# Altium PCB Nuio_Left_Keyboard_Rev_H.PcbDoc (part 2 of 3)
Units mil, origin at the board's own origin, x right, y up, seen from the top; angles counter-clockwise.
Board outline 3504.15 x 969.68 mil, 4 copper layers (Top Layer, GND1, GND2, Bottom Layer), stack 37.04 mil thick; 164 components, 106 nets, 626 pads, 398 vias.
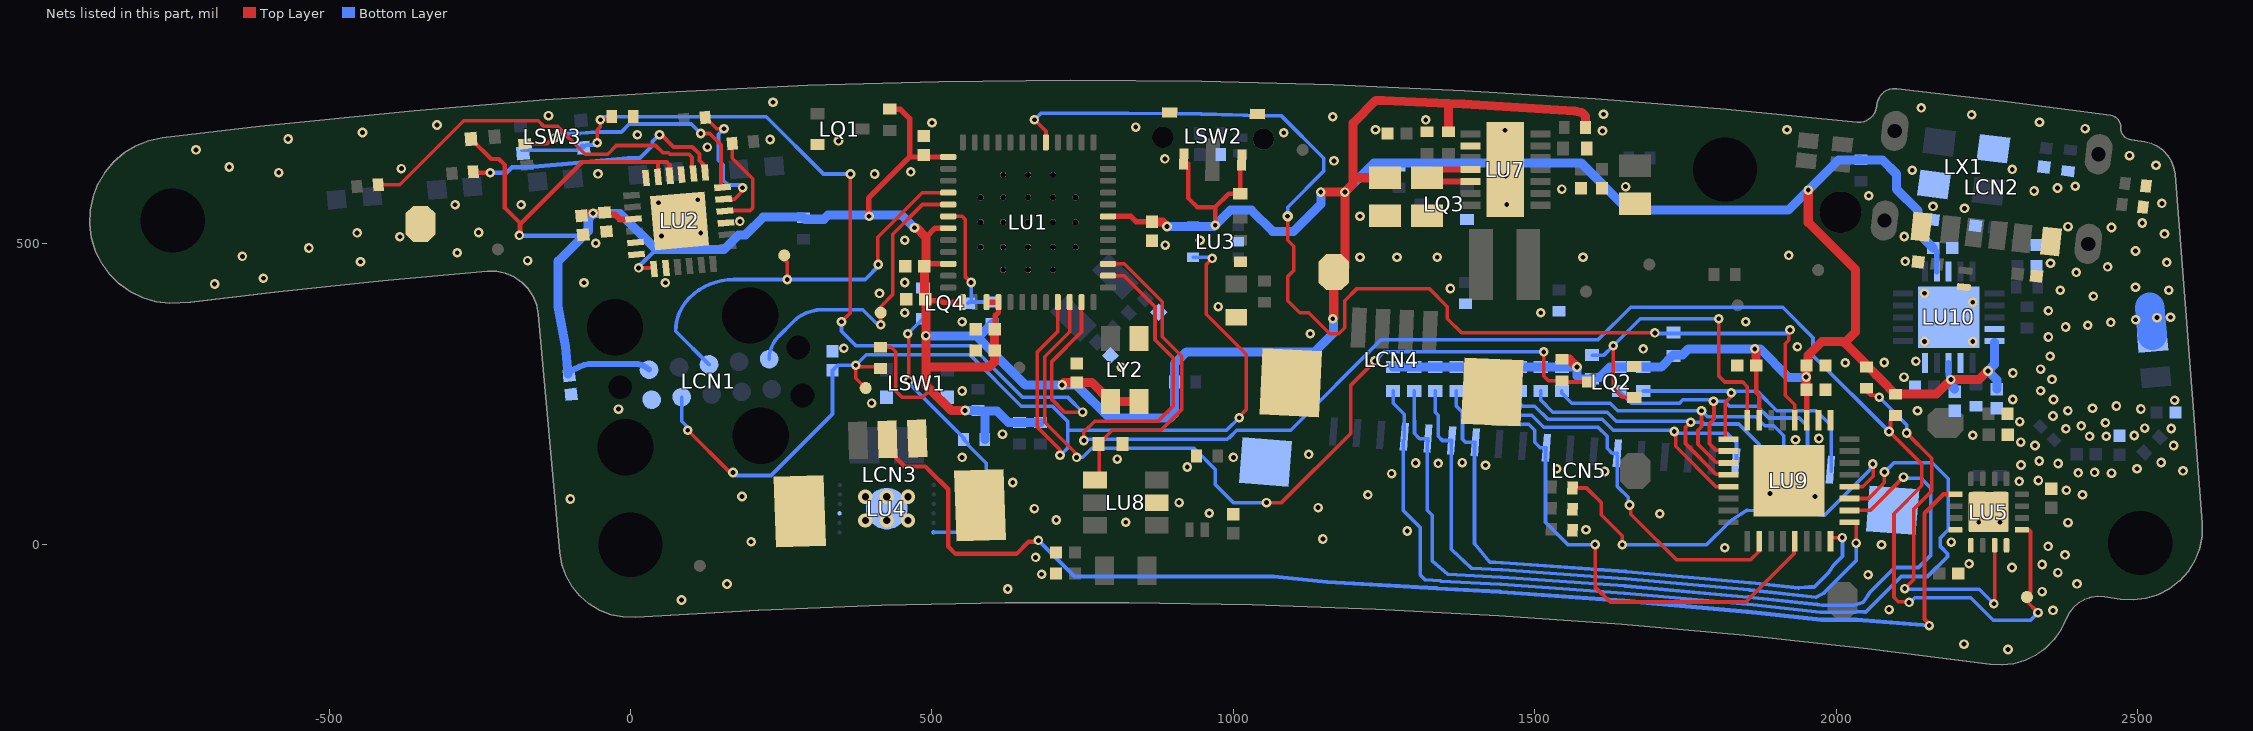
[diagram p4: the nets of this part, all layers, seen from the top]

## Part data (continued)
LD2: library part CMP-009-0040-02, "TVS DIODE 5.5V 14V 2X1SON", Manufacturer="Texas Instruments", Max Operating Temperature=125°C, Max Power=30W, Min Operating Temperature=-40°C, Directionality=UNI-DIRECTIONAL!, Height=0.45mm, Interface=LVDS,USB,Ethernet,HDMI, Lead Free="Lead Free", Manufacturer Part Number=TPD1E05U06QDPYRQ1, Number of Channels=1, RoHS Compliant=Yes
LE1: library part CMP-001-2000-02, "RF ANT 2.4GHZ CHIP SOLDER SMD", Frequency=2.4GHz, Frequency Group=UHF, Manufacturer="Abracon LLC", Manufacturer Part Number=ACAG0201-2450-T, Mounting Type=SMD, Number of Bands=1, RF Family="Bluetooth, General ISM, WiFi", VSWR=2
LL1: library part CMP-001-1752-01, "2.2 µH Shielded Wirewound Inductor 2.83 A 74mOhm Max Nonstandard -", Current Rating (Amps)=2.83A, DC Resistance (DCR)="74mOhm Max", Inductance=2.2uH, Inductance Frequency - Test=1MHz, Manufacturer="TDK Corporation", Manufacturer Product Number=VLS3012CX-2R2M-1, Mounting Type="Surface Mount", RoHS Compliant=Yes, Size / Dimension="3mm x 3mm"
LL2: library part CMP-001-2113-01, "10 µH Shielded Multilayer Inductor 300 mA 680mOhm 0805 (2012 Metric)", Case/Package=0805, Current Rating=300mA, DC Resistance (DCR)=680mR, Manufacturer Part Number=MLZ2012M100HT000, Max Operating Temperature=125°C, Min Operating Temperature=-55°C, Saturation Current=200mA, Self Resonant Frequency=40MHz, Test Frequency=2MHz, Tolerance=20%, Core Material=Ferrite, Height=1.25mm, Height - Seated (Max)=0.057inch, Lead Free="Lead Free", Length=0.079inch, Max DC Current=300mA, RoHS Compliant=Yes, Series=MLZ, Shielding=Shielded, Width=0.049inch
LL3: library part CMP-001-1524-02, "Inductor RF Chip 0.0039uH 0.1nH 100MHz 8Q-Factor Air 0.75A 0.14Ohm DCR 0402 T/R", Current="750 mA", DC Resistance (DCR)="140mOhm Max", Inductance="3.9 nH", Inductance Frequency="100 MHz", Manufacturer=LQG15HS3N9B02D, Manufacturer Part Number="Murata Electronics", Package="0402 (1005 Metric)", Tolerance=±0.1nH, Height=0.55mm, RoHS Compliant=Yes, Size / Dimension="0.039\" L x 0.020\" W (1.00mm x 0.50mm)"
LL4: library part CMP-001-2001-02, "8.2 nH Unshielded Multilayer Inductor 550 mA 240mOhm Max 0402 (1005 Metric)", Case/Package=0402, DC Resistance (DCR)=240mR, Inductance=8.2nH, Manufacturer="Murata Electronics", Manufacturer Part Number=LQG15HS8N2J02D, Max Operating Temperature=125°C, Min Operating Temperature=-55°C, Ratings=AEC-Q200, Self Resonant Frequency=3.7GHz, Test Frequency=100MHz, Tolerance=5%, Core Material=Air, Mount="Surface Mount", RoHS Compliant=Yes, Series=LQG15, Shielding=Unshielded
LL5: library part CMP-001-2002-02, "2.7 nH Unshielded Multilayer Inductor 800 mA 150mOhm Max 0402 (1005 Metric)", Case/Package=0402, Current Rating=300mA, DC Resistance (DCR)=150mR, Inductance=2.7nH, Manufacturer="Murata Electronics", Manufacturer Part Number=LQG15HS2N7S02D, Max Operating Temperature=125°C, Min Operating Temperature=-55°C, Self Resonant Frequency=6GHz, Test Frequency=100MHz, Core Material=Air, DC Current=300mA, Depth=0.55mm, Height=0.5mm, Height - Seated (Max)=0.022inch, Lead Free="Lead Free", Length=1mm, Max DC Current=300mA, Military Standard=Not, Mount="Surface Mount", Q Factor=8, Radiation Hardening=No, Rated Current-Max=300mA, RoHS Compliant=Yes, Series=LQG15HS, Shielding=Unshielded, Termination=SMD/SMT, Width=0.02inch
LLED1 LLED2 LLED3 LLED4 LLED5: library part CMP-001-0086-08, "LED GREEN CLEAR THIN 0603 SMD", Color=Green, Current - Test=20mA, Manufacturer="Lite-On Inc", Millicandela Rating=35mcd, Package / Case="0603 (1608 Metric)", Voltage - Forward (Vf) (Typ)=2V, Height=0.55mm, Lens Style/Size="Rectangle with Flat Top, 1.1mm x 0.8mm", Lens Type=Clear, Manufacturer Part Number=LTST-C191KGKT, Mounting Type="Surface Mount", Packaging="Cut Tape (CT)", Pin Count=2, Pricing 1="1=0.3, 10=0.238, 100=0.1296, 250=0.0864, 500=0.07344, 1000=0.05616, 2500=0.05076 (USD)", RoHS="RoHS Compliant", Size / Dimension="1.60mm L x 0.80mm W", Stock 1=84829, Viewing Angle=130°, Wavelength - Dominant=571nm, Wavelength - Peak=574nm
LLED6: library part CMP-001-0089-03, "LED RGB 605/525/470NM DIFF SMD", Color="Red, Green, Blue (RGB)", Current - Test="20mA Red, 20mA Green, 20mA Blue", Lens Color=White, Manufacturer="Lite-On Inc.", Millicandela Rating="112.5mcd Red, 281mcd Green, 104mcd Blue", Package / Case="0606 (1616 Metric)", Voltage - Forward (Vf) (Typ)="2.1V Red, 3.35V Green, 3.35V Blue", Component Name=LTST-C19HE1WT, ComponentLink1Description=http://optoelectronics.liteon.com/upload/download/DS22-2008-0044/S_110_LTST-C19HE1WT.pdf, ComponentLink1URL=http://optoelectronics.liteon.com/upload/download/DS22-2008-0044/S_110_LTST-C19HE1WT.pdf, Features=-, Height (Max)=0.35mm, Lens Style/Size="Rectangle with Flat Top, 1.15mm x 1.60mm", Lens Transparency=Diffused, Manufacturer Part Number=LTST-C19HE1WT, Mounting Type="Surface Mount", Packaging="Cut Tape (CT)", Part Status=Active, Pin Count=4, Pricing 1="1=0.59, 10=0.424, 25=0.3464, 100=0.277, 250=0.23372, 500=0.19912, 1000=0.15583 (USD)", RoHS="RoHS Compliant", Size / Dimension="1.60mm L x 1.60mm W", Stock 1=369310, Viewing Angle=130°, Wavelength - Dominant="624nm Red, 525nm Green, 470nm Blue", Wavelength - Peak="632nm Red, 520nm Green, 468nm Blue"
LQ1 LQ2 LQ3 LQ4: library part CMP-00300-01, "DIODES INC. - BSS138W-7-F. - BSS FAMILY SOT323 T&R 3K ROHS COMPLIANT: YES", Case/Package=SOT-323, Continuous Drain Current (ID)=200mA, Drain to Source Breakdown Voltage=75V, Drain to Source Resistance=1.4R, Drain to Source Voltage (Vdss)=50V, Drain-source On Resistance-Max=3.5R, Gate to Source Voltage (Vgs)=20V, Input Capacitance=50pF, Manufacturer 1="Diodes Incorporated", Max Operating Temperature=150°C, Max Power Dissipation=200mW, Min Operating Temperature=-55°C, Package Quantity=3000, Supplier Part Number 1=BSS138W-FDICT-ND, Threshold Voltage=1.2V, Contact Plating=Tin,Matte, Current Rating=200mA, Dual Supply Voltage=50V, Element Configuration=Single, Height=1mm, Lead Free="Lead Free", Length=2.2mm, Manufacturer Part Number 1=BSS138W-7-F, Mount="Surface Mount", Nominal Vgs=1.2V, Number of Channels=1, Number of Elements=1, Number of Pins=3, On-State Resistance=3.5R, Packaging="Tape and Reel", Polarity=N-CHANNEL, Power=200mW, Rds On Max=3.5R, REACH SVHC="No SVHC", RoHS Compliant=Yes, Series=-, Supplier 1="Digi Key", Termination=SMD/SMT, Turn-Off Delay Time=20ns, Turn-On Delay Time=20ns, Voltage=50V, Weight=0.000212oz, Width=1.35mm
LR1 LR2 LR3 LR4 LR11: library part CMP-001-0724-07, "SMD Chip Resistor, 4.7 kOhm, ± 1%, 62.5 mW, 0402 [1005 Metric], Thick Film, General Purpose", Case Code (Imperial)=0402, Case Code (Metric)=1005, Manufacturer 1=Yageo, Manufacturer Part Number 1=RC0402FR-074K7L, Max Operating Temperature=155°C, Max Power Dissipation=63mW, Min Operating Temperature=-55°C, Power Rating=62.5mW, Resistance Tolerance=1%, Resistor Type="Thick Film", Supplier Part Number 1=311-4.7KLRCT-ND, Temperature Coefficient=100ppm/°C, Voltage Rating=50V, Case/Package=0402, Category="Chip SMD Resistors", ComponentLink1Description=https://datasheet.ciiva.com/15215/getdatasheetpartid-328119-15215035.pdf?src-supplier=Verical, ComponentLink1URL=https://datasheet.ciiva.com/15215/getdatasheetpartid-328119-15215035.pdf?src-supplier=Verical, ComponentLink2Description=https://datasheet.ciiva.com/7850/1018594-7850022.pdf?src-supplier=Element14, ComponentLink2URL=https://datasheet.ciiva.com/7850/1018594-7850022.pdf?src-supplier=Element14, ComponentLink3Description=https://datasheet.ciiva.com/7850/1018594-7850023.pdf?src-supplier=Element14, ComponentLink3URL=https://datasheet.ciiva.com/7850/1018594-7850023.pdf?src-supplier=Element14, ComponentLink4Description=https://datasheet.ciiva.com/22661/1686128-22661342.pdf?src-supplier=Element14, ComponentLink4URL=https://datasheet.ciiva.com/22661/1686128-22661342.pdf?src-supplier=Element14, Construction=Rectangular, Depth=0.5mm, Features="Moisture Resistant", Lead Free="Lead Free", Length=1mm, Military Standard=Not, Number of Terminations=2, Packaging="Tape and Reel", Pins=2, Pricing 1="1=0.1, 10=0.015, 50=0.0088, 100=0.0073, 500=0.00488, 1000=0.00417, 5000=0.00297 (USD)", Reach SVHC Compliant=No, RoHS=Yes, RoHS Compliant=Yes, Series=RC, Stock 1=6013334, Supplier 1=Digikey, Termination=SMD/SMT, Tolerance=1%, Voltage Rating (DC)=50V, Width=0.5mm
LR5 LR8 LR30 LR31 LR32 LR33 LR34 LR35 LR41: library part CMP-007-0405-16, "1k ±1% 0.063W, 1/16W Chip Resistor 0402 (1005 Metric) Moisture Resistant Thick FilmRES 1K OHM 1% 1/16W 0402", Manufacturer=Yageo, Manufacturer Part Number=RC0402FR-071KL, Package (Imperial)=0402, Package (Metric)=1005, Power=63mW, Resistance=1k, Supplier Part Number=311-1.00KLRCT-ND, Temperature Coefficient=100ppm/°C, Tolerance=1%, Composition="Thick Film", Height=400µm, Supplier=Digi-Key, Termination=SMD/SMT, Width=500µm
LR6 LR16 LR17 LR18 LR23 LR36 LR46 LR47 LR48: library part CMP-007-0354-15, "±1% 0.063W, 1/16W Chip Resistor 0402 (1005 Metric) Moisture Resistant Thick Film", Case Code (Imperial)=0402, Manufacturer=YAGEO, Manufacturer Part Number=RC0402FR-07100KL, Max Operating Temperature=155°C, Max Power Dissipation=63mW, Min Operating Temperature=-55°C, Resistance Tolerance=1%, Resistor Type="Thick Film", Temperature Coefficient=100ppm/°C, Voltage Rating=50V, Case/Package=0402, Construction=Rectangular, Depth=0.5mm, Features="Moisture Resistant", Height=0.016inch, Lead Free="Lead Free", Length=0.039inch, Military Standard=Not, Power Rating=63mW, Reach SVHC Compliant=No, RoHS Compliant=Yes, Series=RC, Termination=SMD/SMT, Tolerance=1%, Width=0.02inch
LR7: library part CMP-00007-24, "RES SMD 220K OHM 1% 1/10W 0402", Max Operating Temperature=155°C, Max Power Dissipation=100mW, Min Operating Temperature=-55°C, Package (Imperial)=0402, Package (Metric)=1005, Package Quantity=1, Power=63mW, Resistance=220k, Temperature Coefficient=100ppm/°C, Tolerance=1%, Voltage Rating=50V, Composition="Thick Film", Contact Plating=Tin, Depth=0.5mm, Features="Automotive AEC-Q200", Height=350µm, Lead Free="Lead Free", Length=1mm, Military Standard=Not, Mount="Surface Mount", Number of Terminations=2, Packaging="Tape and Reel", Power Rating=100mW, Radiation Hardening=No, REACH SVHC="No SVHC", Termination=SMD/SMT, Voltage Rating (DC)=50V, Weight=2.8E-05oz, Width=500µm
LR9 LR13 LR20 LR25 LR28 LR29 LR38 LR39 LR40 LR44 LR50 LR51 LR52 LR53 LR54 LR55 LR56 LR61: library part CMP-001-1262-04, "10 kOhms ±1% 0.063W, 1/16W Chip Resistor 0402 (1005 Metric) Anti-Sulfur, Automotive AEC-Q200, Moisture Resistant Thin Film", Case Code (Metric)=1005, Case/Package=0402, Manufacturer=Yageo, Manufacturer Part Number=AT0402FRE0710KL, Max Operating Temperature=155°C, Max Power Dissipation=63mW, Min Operating Temperature=-55°C, Resistance=10k, Supplier Part Number=YAG2104CT-ND, Temperature Coefficient=50ppm/°C, Tolerance=1%, Composition="Thin Film", Features="Moisture Resistant,Automotive AEC-Q200,Anti-Sulfur", Height=0.014inch, Length=0.039inch, Number of Terminations=2, Package (Imperial)=0402, Packaging="Tape and Reel", Supplier=Digi-Key, Width=0.02inch
LR10: library part CMP-001-1735-03, "47.5 kOhms ±1% 0.063W, 1/16W Chip Resistor 0402 (1005 Metric) Moisture Resistant Thick Film", Case Code (Imperial)=0402, Case Code (Metric)=1005, Manufacturer="Panasonic Electronic Components", Manufacturer Part Number=ERA-2ARB6041X, Max Operating Temperature=155°C, Max Power Dissipation=63mW, Min Operating Temperature=-55°C, Power Rating=62.5mW, Resistance=47.5k, Resistance Tolerance=1%, Resistor Type="Thick Film", Temperature Coefficient=100ppm/°C, Voltage Rating=50V, Case/Package=0402, Composition="Thin Film", Construction=Rectangular, Depth=0.5mm, Features="Moisture Resistant", Height=0.016inch, Lead Free="Lead Free", Length=1mm, Military Standard=Not, Number of Terminations=2, Package (Imperial)=0402, Packaging="Tape and Reel", REACH SVHC="No SVHC", RoHS Compliant=Yes, Series=RC, Size Code=0402, Termination=SMD/SMT, Tolerance=1%, Voltage Rating (DC)=50V, Width=0.02inch
LR12: library part "4.99MEG 0402 Resistor 1%", "4.99MEG 0402 Resistor 1%", Case Code (Imperial)=0402, Case Code (Metric)=1005, Manufacturer="Vishay Dale", Manufacturer Part Number=CRCW04024M99FKEDC, Max Operating Temperature=155°C, Max Power Dissipation=63mW, Min Operating Temperature=-55°C, Supplier Part Number 1=541-4110-1-ND, Temperature Coefficient=100ppm/°C, Tolerance=1%, Case/Package=0402, Category="Chip SMD Resistors", ComponentLink1Description=http://www.vishay.com/docs/28773/crcwce3.pdf?src-supplier=Digikey, ComponentLink1URL=http://www.vishay.com/docs/28773/crcwce3.pdf?src-supplier=Digikey, ComponentLink2Description=https://datasheet.octopart.com/CRCW04024M99FKEDC-Vishay-datasheet-102570912.pdf?src-supplier=Future+Electronics, ComponentLink2URL=https://datasheet.octopart.com/CRCW04024M99FKEDC-Vishay-datasheet-102570912.pdf?src-supplier=Future+Electronics, Number of Terminations=2, Packaging="Cut Tape", Pricing 1="1=0.1, 10=0.024, 50=0.0152, 100=0.0127, 500=0.00866, 1000=0.00746, 5000=0.00542 (USD)", RoHS=Yes, RoHS Compliant=Yes, Series=CRCW-C, Stock 1=96023, Supplier 1=Digikey
LR14 LR15: library part CMP-007-0525-17, "5.1 kOhms ±1% 0.1W, 1/10W Chip Resistor 0402 (1005 Metric) Automotive AEC-Q200 Thick Film", Manufacturer="Panasonic Electronic Components", Manufacturer Part Number=ERJ-2RKF5101X, Max Operating Temperature=155°C, Max Power Dissipation=100mW, Min Operating Temperature=-55°C, Package (Imperial)=0402, Power=63mW, Resistance=5.1k, Temperature Coefficient=100ppm/°C, Tolerance=1%, Voltage Rating=50V, Composition="Thick Film", Contact Plating=Tin, Depth=0.5mm, Height=350µm, Lead Free="Lead Free", Length=1mm, Military Standard=Not, Mount="Surface Mount", Power Rating=100mW, REACH SVHC="No SVHC", Termination=SMD/SMT, Voltage Rating (DC)=50V, Weight=2.8E-05oz, Width=500µm
LR19: library part CMP-007-0476-14, "330 Ohms ±1% 0.063W, 1/16W Chip Resistor 0402 (1005 Metric) Automotive AEC-Q200 Thick Film", Manufacturer Part Number=RC0402FR-07330RL, Operating Temperature="-55°C ~ 155°C", Package (Imperial)=0402, Package (Metric)=1005, Power=63mW, Resistance=330, Temperature Coefficient=±100ppm/°C, Tolerance=1%, Height=400µm, Length=1mm, Termination=SMD/SMT
LR21: library part CMP-00034-19, "1.8 kOhms ±0.1% 0.063W, 1/16W Chip Resistor 0402 (1005 Metric) Automotive AEC-Q200 Thin Film", Case Code (Imperial)=0402, Manufacturer="Panasonic Electronic Components", Manufacturer Part Number=ERA-2AEB182X, Max Operating Temperature=155°C, Max Power Dissipation=63mW, Min Operating Temperature=-55°C, Resistance Tolerance=0.1%, Resistor Type="Thin Film", Temperature Coefficient=25ppm/°C, Voltage Rating=50V, Voltage Rating (DC)=25V, Case/Package=0402, Construction=Rectangular, Contact Plating=Tin, Depth=0.5mm, Height=0.016inch, Lead Free="Lead Free", Length=0.039inch, Mounting Technology="Surface Mount", Power Rating=63mW, Reach SVHC Compliant=Unknown, RoHS Compliant=Yes, Series=ERA-2A, Termination=SMD/SMT, Tolerance=0.1%, Width=0.02inch
LR22 LR42 LR43 LR45: library part CMP-007-0298-18, "0 Ohms Jumper Chip Resistor 0402 (1005 Metric) Automotive AEC-Q200 Thick Film", Manufacturer="Stackpole Electronics Inc", Manufacturer Part Number=RMCF0402ZT0R00, Operating Temperature="-55°C ~ 155°C", Package (Imperial)=0402, Package (Metric)=1005, Power=63mW, Resistance=0, Tolerance=0%, Height=400µm, Length=1mm, Termination=SMD/SMT
LR24 LR57 LR58 LR59 LR60: library part CMP-001-1995-03, "1 MOhms ±1% 0.063W, 1/16W Chip Resistor 0402 (1005 Metric) Moisture Resistant Thick Film", Case/Package=0402, Manufacturer=YAGEO, Manufacturer Part Number=RC0402FR-071ML, Max Operating Temperature=155°C, Max Power Dissipation=63mW, Min Operating Temperature=-55°C, Resistance=1M, Resistance Tolerance=1%, Resistor Type="Thick Film", Temperature Coefficient=100ppm/°C, Voltage Rating=50V, Construction=Rectangular, Depth=0.5mm, Features="Moisture Resistant", Height=0.32mm, Lead Free="Lead Free", Length=1mm, Military Standard=Not, Power Rating=63mW, REACH SVHC=Unknown, RoHS Compliant=Yes, Series=RC, Size Code=0402, Technology="THICK FILM", Termination=SMD/SMT, Tolerance=1%
LR26: library part CMP-001-2304-01, "SMD Chip Resistor, 13 Ohm, ± 1%, 63 mW, 0402 [1005 Metric], Thick Film, General Purpose", Case Code (Imperial)=0402, Case Code (Metric)=1005, Manufacturer 1=Yageo, Manufacturer Part Number 1=RC0402FR-0713RL, Max Operating Temperature=155°C, Max Power Dissipation=63mW, Min Operating Temperature=-55°C, Power Rating=62.5mW, Supplier Part Number 1=YAG2977CT-ND, Temperature Coefficient=100ppm/°C, Tolerance=1%, Voltage Rating=50V, Case/Package=0402, Category="Chip SMD Resistors", ComponentLink1Description=https://datasheet.ciiva.com/17423/pyu-rc0402-51-rohs-l-6-r-17423990.pdf?src-supplier=Future+Electronics, ComponentLink1URL=https://datasheet.ciiva.com/17423/pyu-rc0402-51-rohs-l-6-r-17423990.pdf?src-supplier=Future+Electronics, ComponentLink2Description=https://datasheet.ciiva.com/15189/getdatasheetpartid-327833-15189354.pdf?src-supplier=Verical, ComponentLink2URL=https://datasheet.ciiva.com/15189/getdatasheetpartid-327833-15189354.pdf?src-supplier=Verical, Construction=Rectangular, Contact Plating=Tin,Matte, Depth=0.5mm, Features="Moisture Resistant", Height=0.016inch, Lead Free="Lead Free", Length=1mm, Military Standard=Not, Number of Terminations=2, Packaging="Tape and Reel", Pricing 1="1=0.1, 10=0.015, 50=0.0088, 100=0.0073, 500=0.00488, 1000=0.00417, 5000=0.00297 (USD)", RoHS=Yes, RoHS Compliant=Yes, Series=RC, Stock 1=239263, Supplier 1=Digikey, Termination=SMD/SMT, Voltage Rating (DC)=50V, Width=0.5mm
LR27: library part CMP-001-2044-03, "RES 180K OHM 1% 1/16W 0402", Max Operating Temperature=155°C, Min Operating Temperature=-55°C, Operating Temperature="-55°C ~ 155°C", Package (Imperial)=0402, Package (Metric)=1005, Power=63mW, Temperature Coefficient=100ppm/°C, Tolerance=1%, Height=400µm, Length=1mm, Resistance=180k, Termination=SMD/SMT, Width=500µm
LR37: library part CMP-00080-14, "RES SMD 560 OHM 1% 1/16W 0402", Package (Imperial)=0402, Package (Metric)=1005, Power=63mW, Temperature Coefficient=100ppm/°C, Tolerance=1%, Height=400µm, Length=1mm, Resistance=560, Termination=SMD/SMT
LR49: library part CMP-00082-14, "RES SMD 22K OHM 1% 1/16W 0402", Package (Imperial)=0402, Package (Metric)=1005, Power=63mW, Resistance=22k, Tolerance=1%, Height=400µm, Length=1mm, Termination=SMD/SMT
LR62: library part "10m 0805 Resistor 1%_1", "10mOhm 0805 Resistor 1%", Manufacturer 1=Yageo, Manufacturer Part Number 1=PE0805FRE470R01Z, Supplier Part Number 1=13-PE0805FRE470R01ZCT-ND, Category=Resistors, Pricing 1="1=0.41, 10=0.281, 25=0.2188, 50=0.1614, 100=0.1122, 250=0.0978, 500=0.08066, 1000=0.05834 (USD)", RoHS=No, Stock 1=23704, Supplier 1=Digikey
LSW1 LSW3: library part CMP-00343-02, "2.8x1.9mm Compact Type with Projection Surface Mount SKSV Series Tact Switch", Current Rating="50 mA", Manufacturer="Alps Alpine", Voltage Rating (DC)="12 VDC", Manufacturer Part Number=SKSVCAE010, RoHS Compliant=Yes
LSW2: library part CMP-00359-04, "SWITCH TACTILE SPST-NO 0.05A 12V", Current Rating=50mA, Max Operating Temperature=85°C, Min Operating Temperature=-35°C, Operating Force=160gf, Package Quantity=1, Actuator Length=0.85mm, Actuator Material=Polyphthalamide, Actuator Type=Standard, Contact Material="Stainless Steel,Silver", Contact Plating="Stainless Steel,Silver", Electrical Life=100000Cycles, Mechanical Life=100000Cycles, Mount="Surface Mount", Packaging="Tape and Reel", Series=TL3340, Switch Function=Off-Mom, Switch Travel=0.2mm
LTP1 LTP6 LTP9 LTP11 LTP13: library part CMP-001-0557-04, "Test Point- Current one"
LTP2 LTP3 LTP4 LTP5 LTP7 LTP8 LTP10 LTP12 LTP14 LTP15 LTP16 LTP17: library part CMP-001-1043-02, "MTK-TP20MIL"
LU1: library part CMP-001-1982-03, "SoC RF SIP Module Dual Core MCU 2, 4GHz", Case/Package=QFN, Clock Frequency=40MHz, Manufacturer 1="Espressif Systems", Max Operating Temperature=85°C, Max Supply Voltage=3.6V, Min Operating Temperature=-40°C, Min Supply Voltage=2.7V, Nominal Supply Current=80mA, Operating Frequency="2.4 GHz to 2.5 GHz", Output Power (dBm)=20dBm, Package Quantity=2000, Supplier Part Number 1=1904-1029-1-ND, Bandwidth=72MHz, Category="RF Receivers, Transceivers", ComponentLink1Description=https://www.espressif.com/sites/default/files/documentation/esp32-pico-d4_datasheet_en.pdf?src-supplier=Digikey, ComponentLink1URL=https://www.espressif.com/sites/default/files/documentation/esp32-pico-d4_datasheet_en.pdf?src-supplier=Digikey, ComponentLink2Description=https://datasheet.octopart.com/ESP32-PICO-D4-Espressif-Systems-datasheet-165560559.pdf?src-supplier=TME, ComponentLink2URL=https://datasheet.octopart.com/ESP32-PICO-D4-Espressif-Systems-datasheet-165560559.pdf?src-supplier=TME, Data Bus Width=32b, Data Rate=150Mbps, Height=0.94mm, Interface=I2C,SPI,I2S,UART, Length=7mm, Manufacturer Part Number 1=ESP32-PICO-D4, Memory Format=FLASH, Memory Size=4MB, Number of ADC Channels=10, Number of GPIO=22, Operating Supply Voltage=3.6V, Pricing 1="1=4.5 (USD)", RAM Size=520KB, RoHS=No, Sensitivity=-97dBm, Series=ESP32, Stock 1=3196, Supplier 1=Digikey, Width=7mm
LU2: library part CMP-001-2127-03, "IC I/o Expander 16B I2C 24TQFN", Frequency=400kHz, Manufacturer 1=Diodes, Max Operating Temperature=85°C, Min Operating Temperature=-40°C, Supplier Part Number 1=PI4IOE5V9535ZDEXDICT-ND, ComponentLink1Description=https://media.digikey.com/pdf/Data%20Sheets/Diodes%20PDFs/PI4IOE5V9539.pdf?src-supplier=Digikey, ComponentLink1URL=https://media.digikey.com/pdf/Data%20Sheets/Diodes%20PDFs/PI4IOE5V9539.pdf?src-supplier=Digikey, ComponentLink2Description=https://datasheet.octopart.com/PI4IOE5V9535ZDEX-Diodes-Inc.-datasheet-160666369.pdf?src-supplier=SHENGYU+ELECTRONICS, ComponentLink2URL=https://datasheet.octopart.com/PI4IOE5V9535ZDEX-Diodes-Inc.-datasheet-160666369.pdf?src-supplier=SHENGYU+ELECTRONICS, Interface=I2C, Manufacturer Part Number 1=PI4IOE5V9535ZDEX, Mounting Technology="Surface Mount", Number of I/Os=16, Packaging="Cut Tape", Pricing 1="1=1.55, 10=1.392, 25=1.3128, 100=1.1187, 250=1.0504, 500=0.9191, 1000=0.76154 (USD)", RoHS=Yes, RoHS Compliant=Yes, Series=-, Stock 1=53776, Supplier 1=Digikey
LU3: library part CMP-001-2183-02, "LMV Series 5 V 1 nA SMT Single General Purpose, Low Voltage Comparator - SC-70", Case/Package=SC, Input Bias Current=1nA, Input Offset Voltage (Vos)=9mV, Manufacturer=onsemi, Max Operating Temperature=85°C, Max Supply Current=120uA, Max Supply Voltage=5V, Min Operating Temperature=-40°C, Min Supply Voltage=2.7V, Natural Thermal Resistance=280°C/W, Operating Supply Voltage=3V, Output Current=84mA, Package Quantity=3000, Quiescent Current=150uA, Voltage Gain=93.98dB, Halogen Free="Halogen Free", Height=1mm, Lead Free="Lead Free", Length=2.2mm, Manufacturer Part Number=LMV331SQ3T2G, Max Input Current=1nA, Number of Channels=1, Number of Elements=1, Packaging="Tape and Reel", Pins=5, Propagation Delay=1.5us, Radiation Hardening=No, Reach SVHC Compliant=No, RoHS Compliant=Yes, Series=-, Supply Current=120uA, Technology=CMOS, Type="General Purpose", Width=1.35mm
LU4: library part CMP-04911-000067-1, "IC BATT FUEL GAUGE LI-ION 12SON", Capacity=8000mAh, Manufacturer 1="Texas Instruments", Max Operating Temperature=85°C, Max Supply Voltage=6V, Min Operating Temperature=-40°C, Min Supply Voltage=-300mV, Operating Supply Voltage=4.5V, Output Current=500uA, Output Voltage=600mV, Package Quantity=3000, Supplier Part Number 1=296-39942-1-ND, Contact Plating=Gold, Interface=I2C, Lead Free="Lead Free", Manufacturer Part Number 1=BQ27441DRZR-G1B, Mount="Surface Mount", Number of Cells=1, Number of Pins=12, Packaging="Tape and Reel", Supplier 1="Digi Key"
LU5: library part CMP-001-1983-03, "USB Friendly 0.5A Li-ion charger with power-Path, 10.5V OVP 16-VQFN -5 to 125", Battery Pack Voltage=4.2V, Case/Package=QFN, Manufacturer 1="Texas Instruments", Max Charge Current=500mA, Max Operating Temperature=125°C, Max Supply Voltage=10.2V, Min Operating Temperature=-5°C, Supplier Part Number 1=296-49554-1-ND, Battery Chemistry=LITHIUM-ION, Category="Battery Management", ComponentLink1Description=http://www.ti.com/lit/ds/symlink/bq24232ha.pdf?src-supplier=Digikey, ComponentLink1URL=http://www.ti.com/lit/ds/symlink/bq24232ha.pdf?src-supplier=Digikey, ComponentLink2Description=http://www.ti.com/general/docs/suppproductinfo.tsp?distId=10&amp;gotoUrl=http%3A%2F%2Fwww.ti.com%2Flit%2Fgpn%2Fbq24232ha&src-supplier=Digikey, ComponentLink2URL=http://www.ti.com/general/docs/suppproductinfo.tsp?distId=10&amp;gotoUrl=http%3A%2F%2Fwww.ti.com%2Flit%2Fgpn%2Fbq24232ha&src-supplier=Digikey, Fault Protection="Over Voltage,Over Temperature,Short Circuit,Reverse Current", Interface=USB, Lead Free="Lead Free", Manufacturer Part Number 1=BQ24232HARGTR, Mounting Technology="Surface Mount", Number of Cells=1, Packaging="Cut Tape", Pricing 1="1=2.63, 10=2.361, 25=2.2272, 100=1.8974, 250=1.78164, 500=1.55894, 1000=1.29169 (USD)", RoHS=Yes, RoHS Compliant=Yes, Series=-, Stock 1=10178, Supplier 1=Digikey